# KiCad board Leviathan.kicad_pcb
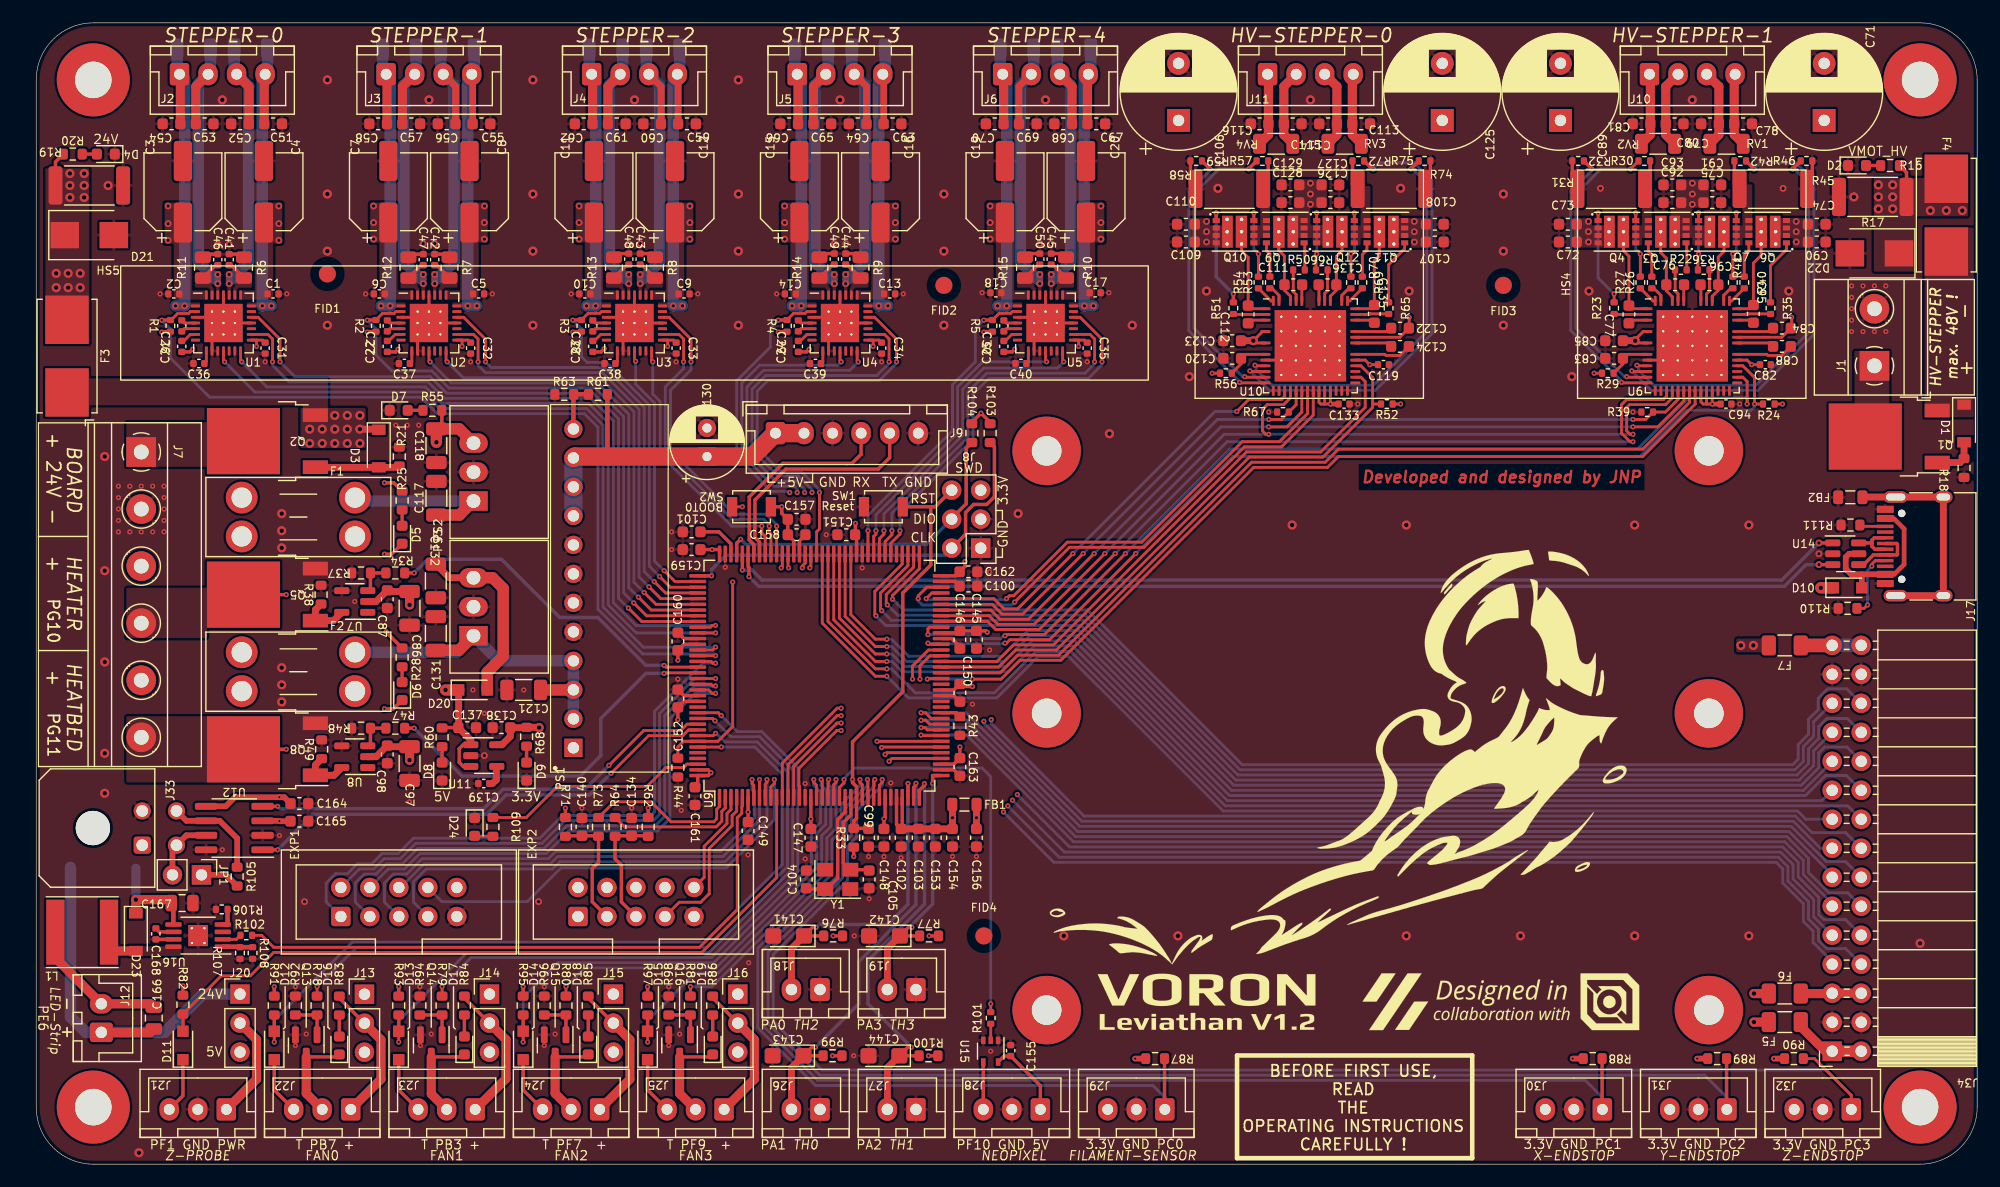
[diagram p0: board, top side]
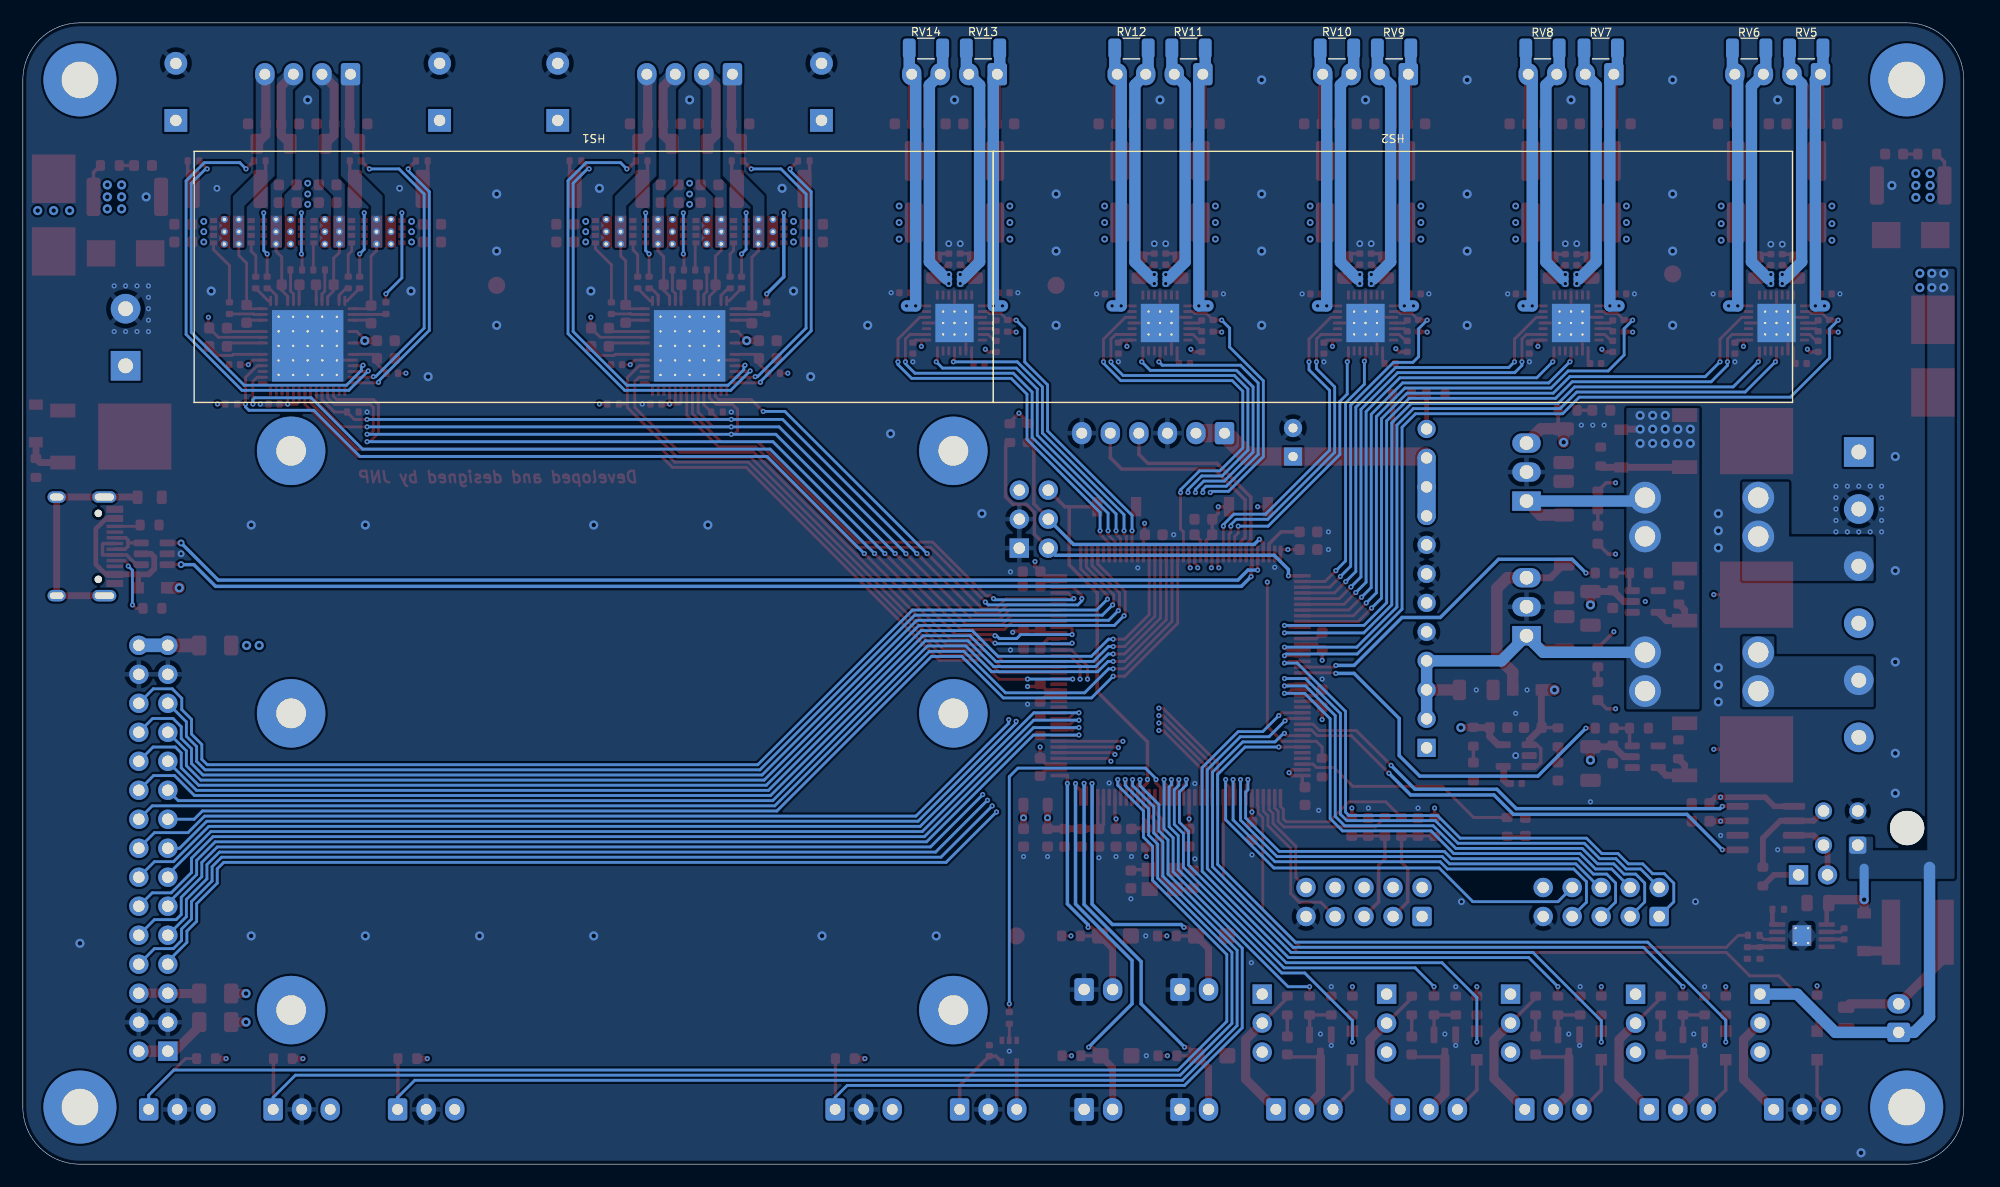
[diagram p1: board, bottom side, seen from below]

Outline 170 x 100 mm; copper layers: Top, In1.Cu, In2.Cu, Bottom. Coordinates in mm from the lower left corner of the outline.
Outline path: 0,95 0,5 arc(1.46,1.46) 5,0 165,0 arc(168.54,1.46) 170,5 170,95 arc(168.54,98.54) 165,100 5,100 arc(1.46,98.54) 0,95
Stack: Top 0.035mm / dielectric 0.48mm FR4 er 4.5 / In1.Cu 0.035mm / dielectric 0.48mm FR4 er 4.5 / In2.Cu 0.035mm / dielectric 0.48mm FR4 er 4.5 / Bottom 0.035mm

## Placement (name value [footprint] x y rotation side)
C1  100n  [C_0402_1005Metric]  20.75 76.25 0 top
C2  100n  [C_0402_1005Metric]  12.05 76.25 180 top
C3  47u/35V  [CP_Elec_6.3x5.8]  12.85 85.2 90 top
C4  47u/35V  [CP_Elec_6.3x5.8]  19.95 85.2 90 top
C5  100n  [C_0402_1005Metric]  38.75 76.25 0 top
C6  100n  [C_0402_1005Metric]  30.05 76.25 180 top
C7  47u/35V  [CP_Elec_6.3x5.8]  30.85 85.2 90 top
C8  47u/35V  [CP_Elec_6.3x5.8]  37.95 85.2 90 top
C9  100n  [C_0402_1005Metric]  56.75 76.25 0 top
C10  100n  [C_0402_1005Metric]  48.05 76.25 180 top
C11  47u/35V  [CP_Elec_6.3x5.8]  48.85 85.2 90 top
C12  47u/35V  [CP_Elec_6.3x5.8]  55.95 85.2 90 top
C13  100n  [C_0402_1005Metric]  74.75 76.25 0 top
C14  100n  [C_0402_1005Metric]  66.05 76.25 180 top
C15  47u/35V  [CP_Elec_6.3x5.8]  66.85 85.2 90 top
C16  47u/35V  [CP_Elec_6.3x5.8]  73.95 85.2 90 top
C17  100n  [C_0402_1005Metric]  92.75 76.35 0 top
C18  100n  [C_0402_1005Metric]  84.05 76.35 180 top
C19  47u/35V  [CP_Elec_6.3x5.8]  84.85 85.2 90 top
C20  47u/35V  [CP_Elec_6.3x5.8]  91.95 85.2 90 top
C21  100n  [C_0402_1005Metric]  12.75 71.65 90 top
C22  100n  [C_0402_1005Metric]  30.75 71.65 90 top
C23  100n  [C_0402_1005Metric]  48.75 71.65 90 top
C24  100n  [C_0402_1005Metric]  66.75 71.65 90 top
C25  100n  [C_0402_1005Metric]  84.75 71.65 90 top
C26  22n  [C_0402_1005Metric]  12.75 73.45 270 top
C27  22n  [C_0402_1005Metric]  30.75 73.45 270 top
C28  22n  [C_0402_1005Metric]  48.75 73.45 270 top
C29  22n  [C_0402_1005Metric]  66.75 73.45 270 top
C30  22n  [C_0402_1005Metric]  84.75 73.45 270 top
C31  100n  [C_0402_1005Metric]  20.05 71.5 270 top
C32  100n  [C_0402_1005Metric]  38.05 71.5 270 top
C33  100n  [C_0402_1005Metric]  56.05 71.5 270 top
C34  100n  [C_0402_1005Metric]  74.05 71.5 270 top
C35  100n  [C_0402_1005Metric]  92.05 71.5 270 top
C36  4u7  [C_0402_1005Metric]  14.25 70.15 0 top
C37  4u7  [C_0402_1005Metric]  32.25 70.15 0 top
C38  4u7  [C_0402_1005Metric]  50.25 70.15 0 top
C39  4u7  [C_0402_1005Metric]  68.25 70.15 0 top
C40  4u7  [C_0402_1005Metric]  86.25 70.15 0 top
C41  100n  [C_0402_1005Metric]  16.9 79.25 270 top
C42  100n  [C_0402_1005Metric]  34.9 79.25 270 top
C43  100n  [C_0402_1005Metric]  52.9 79.3 270 top
C44  100n  [C_0402_1005Metric]  70.9 79.3 270 top
C45  100n  [C_0402_1005Metric]  88.9 79.3 270 top
C46  100n  [C_0402_1005Metric]  15.9 79.25 270 top
C47  100n  [C_0402_1005Metric]  33.9 79.25 270 top
C48  100n  [C_0402_1005Metric]  51.9 79.3 270 top
C49  100n  [C_0402_1005Metric]  69.9 79.3 270 top
C50  100n  [C_0402_1005Metric]  87.9 79.3 270 top
C51  1n  [C_0603_1608Metric]  20.75 91.15 0 top
C52  1n  [C_0603_1608Metric]  17.85 91.15 180 top
C53  1n  [C_0603_1608Metric]  14.75 91.15 0 top
C54  1n  [C_0603_1608Metric]  11.85 91.15 180 top
C55  1n  [C_0603_1608Metric]  39 91.15 0 top
C56  1n  [C_0603_1608Metric]  35.95 91.15 180 top
C57  1n  [C_0603_1608Metric]  32.85 91.15 0 top
C58  1n  [C_0603_1608Metric]  29.95 91.15 180 top
C59  1n  [C_0603_1608Metric]  57 91.15 0 top
C60  1n  [C_0603_1608Metric]  53.95 91.15 180 top
C61  1n  [C_0603_1608Metric]  50.85 91.15 0 top
C62  1n  [C_0603_1608Metric]  47.95 91.15 180 top
C63  1n  [C_0603_1608Metric]  75 91.15 0 top
C64  1n  [C_0603_1608Metric]  71.95 91.15 180 top
C65  1n  [C_0603_1608Metric]  68.85 91.15 0 top
C66  1n  [C_0603_1608Metric]  65.95 91.15 180 top
C67  1n  [C_0603_1608Metric]  92.85 91.15 0 top
C68  1n  [C_0603_1608Metric]  89.95 91.15 180 top
C69  1n  [C_0603_1608Metric]  86.85 91.15 0 top
C70  1n  [C_0603_1608Metric]  83.95 91.15 180 top
C71  220u/63V  [CP_Radial_D10.0mm_P5.00mm]  156.6 91.45 90 top
C72  100nF/100V  [C_0603_1608Metric]  134.15 80.8 0 top
C73  100nF/100V  [C_0603_1608Metric]  134.15 82.35 0 top
C74  100nF/100V  [C_0603_1608Metric]  155.95 82.35 180 top
C75  100nF/100V  [C_0603_1608Metric]  146.8 84.25 180 top
C76  220nF  [C_0603_1608Metric]  143.55 77.05 0 top
C77  220nF  [C_0603_1608Metric]  139.5 74.45 270 top
C78  1n  [C_0603_1608Metric]  149.5 91.15 0 top
C79  1n  [C_0603_1608Metric]  146.6 91.15 180 top
C80  1n  [C_0603_1608Metric]  143.5 91.15 0 top
C81  1n  [C_0603_1608Metric]  140.6 91.15 180 top
C82  470nF  [C_0402_1005Metric]  151.45 70.05 0 top
C83  2u2  [C_0603_1608Metric]  138.2 70.6 180 top
C84  100n  [C_0603_1608Metric]  152.9 73.25 180 top
C85  2u2  [C_0603_1608Metric]  138.2 72.15 180 top
C86  10u  [C_1206_3216Metric]  32.7 48.7 270 top
C87  100n  [C_0603_1608Metric]  30.75 49.5 270 top
C88  22n  [C_0603_1608Metric]  152.9 71.65 180 top
C89  220u/63V  [CP_Radial_D10.0mm_P5.00mm]  133.5 91.45 90 top
C90  100nF/100V  [C_0603_1608Metric]  155.95 80.8 180 top
C91  100nF/100V  [C_0603_1608Metric]  146.8 85.8 180 top
C92  100nF/100V  [C_0603_1608Metric]  143.3 84.25 0 top
C93  100nF/100V  [C_0603_1608Metric]  143.3 85.8 0 top
C94  100n  [C_0402_1005Metric]  148 66.6 0 top
C95  220nF  [C_0603_1608Metric]  150.4 74.5 270 top
C96  220nF  [C_0603_1608Metric]  146.55 77.05 180 top
C97  10u  [C_1206_3216Metric]  32.7 35.1 270 top
C98  100n  [C_0603_1608Metric]  30.75 35.9 270 top
C99  100n  [C_0603_1608Metric]  72.9 28.6 270 top
C100  2u2  [C_0603_1608Metric]  81.65 50.65 0 top
C101  2u2  [C_0603_1608Metric]  57.4 55.4 180 top
C102  2u2  [C_0603_1608Metric]  75.75 28.6 270 top
C103  100n  [C_0603_1608Metric]  77.25 28.6 270 top
C104  12pF  [C_0603_1608Metric]  67.45 24.95 90 top
C105  12pF  [C_0603_1608Metric]  72.95 24.95 270 top
C106  220u/63V  [CP_Radial_D10.0mm_P5.00mm]  100.05 91.45 90 top
C107  100nF/100V  [C_0603_1608Metric]  122.5 80.8 180 top
C108  100nF/100V  [C_0603_1608Metric]  122.5 82.35 180 top
C109  100nF/100V  [C_0603_1608Metric]  100.7 80.8 0 top
C110  100nF/100V  [C_0603_1608Metric]  100.7 82.35 0 top
C111  220nF  [C_0603_1608Metric]  110.1 77.05 0 top
C112  220nF  [C_0603_1608Metric]  106.15 74.45 270 top
C113  1n  [C_0603_1608Metric]  116.05 91.15 0 top
C114  1n  [C_0603_1608Metric]  113.15 91.15 180 top
C115  1n  [C_0603_1608Metric]  110.05 91.15 0 top
C116  1n  [C_0603_1608Metric]  107.15 91.15 180 top
C117  10u  [C_1206_3216Metric]  35.05 58.35 90 top
C118  10u  [C_1206_3216Metric]  35.05 62.95 270 top
C119  470nF  [C_0402_1005Metric]  118 70.05 0 top
C120  2u2  [C_0603_1608Metric]  104.75 70.6 180 top
C121  10u  [C_1206_3216Metric]  42.7 41.55 180 top
C122  100n  [C_0603_1608Metric]  119.45 73.25 180 top
C123  2u2  [C_0603_1608Metric]  104.75 72.15 180 top
C124  22n  [C_0603_1608Metric]  119.45 71.65 180 top
C125  220u/63V  [CP_Radial_D10.0mm_P5.00mm]  123.15 91.45 90 top
C126  100nF/100V  [C_0603_1608Metric]  113.35 84.25 180 top
C127  100nF/100V  [C_0603_1608Metric]  113.35 85.8 180 top
C128  100nF/100V  [C_0603_1608Metric]  109.85 84.25 0 top
C129  100nF/100V  [C_0603_1608Metric]  109.85 85.8 0 top
C130  100u/25V  [CP_Radial_D6.3mm_P2.50mm]  58.75 62 90 top
C131  10u  [C_1206_3216Metric]  35 46.5 90 top
C132  10u  [C_1206_3216Metric]  35 51.1 270 top
C133  100n  [C_0402_1005Metric]  114.55 66.6 0 top
C134  100n  [C_0603_1608Metric]  52.15 29.55 90 top
C135  220nF  [C_0603_1608Metric]  117.2 74.5 270 top
C136  220nF  [C_0603_1608Metric]  113.1 77.05 180 top
C137  1u  [C_0603_1608Metric]  37.75 38.25 0 top
C138  2u2  [C_0603_1608Metric]  40.75 38.25 180 top
C139  22n  [C_0402_1005Metric]  39.2 33.35 180 top
C140  100n  [C_0603_1608Metric]  47.8 29.55 90 top
C141  10u  [CP_EIA-3216-18_Kemet-A]  65.9 20 180 top
C142  10u  [CP_EIA-3216-18_Kemet-A]  74.3 20 180 top
C143  10u  [CP_EIA-3216-18_Kemet-A]  65.85 9.5 180 top
C144  10u  [CP_EIA-3216-18_Kemet-A]  74.25 9.5 180 top
C145  4u7  [C_0603_1608Metric]  82.35 45.95 270 top
C146  100n  [C_0603_1608Metric]  80.9 45.95 270 top
C147  100n  [C_0603_1608Metric]  67.85 28.6 270 top
C148  100n  [C_0603_1608Metric]  74.25 28.6 270 top
C149  1u  [C_0603_1608Metric]  62.35 29.2 270 top
C150  100n  [C_0603_1608Metric]  80.9 41.3 270 top
C151  100n  [C_0603_1608Metric]  70.95 55.15 180 top
C152  100n  [C_0603_1608Metric]  56.2 40.8 90 top
C153  2u2  [C_0603_1608Metric]  78.75 28.6 270 top
C154  100n  [C_0603_1608Metric]  80.25 28.6 270 top
C155  100n  [C_0402_1005Metric]  85.35 9.95 90 top
C156  100n  [C_0603_1608Metric]  82.35 28.6 270 top
C157  1u  [C_0603_1608Metric]  66.6 56.5 0 top
C158  100n  [C_0603_1608Metric]  66.6 55.15 0 top
C159  100n  [C_0603_1608Metric]  57.4 53.85 180 top
C160  100n  [C_0603_1608Metric]  56.2 45.8 90 top
C161  100n  [C_0603_1608Metric]  57.7 32.25 270 top
C162  100n  [C_0603_1608Metric]  81.65 51.9 0 top
C163  100n  [C_0603_1608Metric]  80.9 34.8 270 top
C164  100n  [C_0603_1608Metric]  23.05 31.6 0 top
C165  100n  [C_0603_1608Metric]  23.05 30.05 0 top
C166  4.7uF  [C_0805_2012Metric]  10.3 12.8 90 top
C167  4.7uF  [C_0805_2012Metric]  12.78 22.88 0 top
C168  1uF  [C_0402_1005Metric]  10.48 20.18 270 top
D1  15V  [D_SOD-123]  168.85 64.9 270 top
D2  red  [LED_0603_1608Metric]  159.47 87.5 0 top
D3  15V  [D_SOD-123]  30 62.7 270 top
D4  red  [LED_0603_1608Metric]  6.1 88.5 180 top
D5  Hotend  [LED_0603_1608Metric]  32.05 55.15 90 top
D6  Heatbed  [LED_0603_1608Metric]  32.05 41.45 90 top
D7  red  [LED_0603_1608Metric]  31.75 66.05 0 top
D8  red  [LED_0603_1608Metric]  35.55 34.4 90 top
D9  red  [LED_0603_1608Metric]  42.95 34.4 90 top
D10  CUS10S30,H3F  [D_SOD-323_HandSoldering]  158.65 50.5 0 top
D11  BAT54J,115  [D_SOD-323_HandSoldering]  12.85 10.4 90 top
D12  BAT54J,115  [D_SOD-323_HandSoldering]  20.85 10.4 90 top
D13  BAT54J,115  [D_SOD-323_HandSoldering]  31.75 10.4 90 top
D14  BAT54J,115  [D_SOD-323_HandSoldering]  42.65 10.4 90 top
D15  BAT54J,115  [D_SOD-323_HandSoldering]  53.55 10.4 90 top
D16  red  [LED_0603_1608Metric]  26.55 10.4 90 top
D17  red  [LED_0603_1608Metric]  37.5 10.4 90 top
D18  red  [LED_0603_1608Metric]  48.35 10.4 90 top
D19  red  [LED_0603_1608Metric]  59.25 10.4 90 top
D20  BAT60AE6327  [D_SOD-323_HandSoldering]  38.25 41.55 0 top
D21  SMBJ28A  [D_SMB]  4.65 81.4 0 top
D22  SMBJ54A  [D_SMB]  161 79.8 180 top
D23  40V/1A  [D_SOD-123]  8.73 20.32 270 top
D24  red  [LED_0603_1608Metric]  38.4 29.55 270 top
EXP1  LCD  [IDC-Header_2x05_P2.54mm_Vertical]  26.68 21.7 90 top
EXP2  SPI  [IDC-Header_2x05_P2.54mm_Vertical]  47.45 21.7 90 top
F1  Fuse  [Fuseholder_Blade_Mini_Keystone_3568]  18 58.4 0 top
F2  Fuse  [Fuseholder_Blade_Mini_Keystone_3568]  18 44.85 0 top
F3  10A  [Fuseholder_Littelfuse_Nano2_154x]  2.7 70.8 90 top
F4  10A  [Fuseholder_Littelfuse_Nano2_154x]  167.3 83.15 270 top
F5  0.5A  [Fuse_1206_3216Metric]  153.15 12.45 180 top
F6  0.5A  [Fuse_1206_3216Metric]  153.15 14.95 180 top
F7  0.5A  [Fuse_1206_3216Metric]  153.15 45.45 180 top
FB1  600Z  [L_0805_2012Metric]  81.3 31.5 0 top
FB2  600Z  [L_0805_2012Metric]  158.89 58.43 180 top
FID1  Fiducial  [Fiducial_1.5mm_Mask3mm]  25.5 78 0 top
FID2  Fiducial  [Fiducial_1.5mm_Mask3mm]  79.5 77 0 top
FID3  Fiducial  [Fiducial_1.5mm_Mask3mm]  128.5 77 0 top
FID4  Fiducial  [Fiducial_1.5mm_Mask3mm]  83 20 0 top
H1  MountingHole  [MountingHole_3.2mm_M3_Pad_TopBottom]  5 95 0 top
H2  MountingHole  [MountingHole_3.2mm_M3_Pad_TopBottom]  165 95 0 top
H3  MountingHole  [MountingHole_3.2mm_M3_Pad_TopBottom]  5 5 0 top
H4  MountingHole  [MountingHole_3.2mm_M3_Pad_TopBottom]  165 5 0 top
HS1  Heatsink  [M2_Heatsink_70x22x3]  120 77.74 180 bottom
HS2  Heatsink  [M2_Heatsink_70x22x3]  50 77.74 180 bottom
HS3  Heatsink  [Heatsink_Fischer_ICK_PGA_20x20x10]  111.5 77.1 90 top
HS4  Heatsink  [Heatsink_Fischer_ICK_PGA_20x20x10]  145 77.1 90 top
HS5  Heatsink  [Heatsink_90x10x10]  52.4 73.7 0 top
J1  PWR_HV_DRV  [TerminalBlock_Phoenix_MKDS-1,5-2_1x02_P5.00mm_Horizontal]  161 69.95 90 top
J2  Stepper0  [JST_XH_B4B-XH-A_1x04_P2.50mm_Vertical]  12.55 95.5 0 top
J3  Stepper1  [JST_XH_B4B-XH-A_1x04_P2.50mm_Vertical]  30.65 95.5 0 top
J4  Stepper2  [JST_XH_B4B-XH-A_1x04_P2.50mm_Vertical]  48.65 95.5 0 top
J5  Stepper3  [JST_XH_B4B-XH-A_1x04_P2.50mm_Vertical]  66.65 95.5 0 top
J6  Stepper4  [JST_XH_B4B-XH-A_1x04_P2.50mm_Vertical]  84.65 95.5 0 top
J7  PWR_IN  [TerminalBlock_Phoenix_MKDS-1,5-6_1x06_P5.00mm_Horizontal]  9.2 62.4 270 top
J8  SWD  [PinHeader_2x03_P2.54mm_Vertical]  82.72 53.97 180 top
J9  PWR/UART  [JST_XH_B6B-XH-A_1x06_P2.50mm_Vertical]  64.75 64.05 0 top
J10  HV_Stepper1  [JST_XH_B4B-XH-A_1x04_P2.50mm_Vertical]  141.3 95.5 0 top
J11  HV_Stepper0  [JST_XH_B4B-XH-A_1x04_P2.50mm_Vertical]  107.85 95.5 0 top
J12  LED-Strip  [JST_XH_B2B-XH-A_1x02_P2.50mm_Vertical]  5.7 11.55 90 top
J13  FAN_V  [PinHeader_1x03_P2.54mm_Vertical]  28.75 14.89 0 top
J14  FAN_V  [PinHeader_1x03_P2.54mm_Vertical]  39.7 14.9 0 top
J15  FAN_V  [PinHeader_1x03_P2.54mm_Vertical]  50.55 14.9 0 top
J16  FAN_V  [PinHeader_1x03_P2.54mm_Vertical]  61.45 14.9 0 top
J17  USB_C_Receptacle_USB2.0  [USB_C_Receptacle_HRO_TYPE-C-31-M-12]  165.99 54.13 90 top
J18  T2  [JST_XH_B2B-XH-A_1x02_P2.50mm_Vertical]  68.65 15.3 180 top
J19  T3  [JST_XH_B2B-XH-A_1x02_P2.50mm_Vertical]  77.05 15.3 180 top
J20  PROBE_V  [PinHeader_1x03_P2.54mm_Vertical]  17.85 14.9 0 top
J21  Z-Probe  [JST_XH_B3B-XH-A_1x03_P2.50mm_Vertical]  16.65 4.8 180 top
J22  FAN_0  [JST_XH_B3B-XH-A_1x03_P2.50mm_Vertical]  27.55 4.8 180 top
J23  FAN_1  [JST_XH_B3B-XH-A_1x03_P2.50mm_Vertical]  38.45 4.8 180 top
J24  FAN_2  [JST_XH_B3B-XH-A_1x03_P2.50mm_Vertical]  49.35 4.8 180 top
J25  FAN_3  [JST_XH_B3B-XH-A_1x03_P2.50mm_Vertical]  60.25 4.8 180 top
J26  T0  [JST_XH_B2B-XH-A_1x02_P2.50mm_Vertical]  68.65 4.8 180 top
J27  T1  [JST_XH_B2B-XH-A_1x02_P2.50mm_Vertical]  77.05 4.8 180 top
J28  Neopixel  [JST_XH_B3B-XH-A_1x03_P2.50mm_Vertical]  87.95 4.8 180 top
J29  Fil  [JST_XH_B3B-XH-A_1x03_P2.50mm_Vertical]  98.85 4.8 180 top
J30  X  [JST_XH_B3B-XH-A_1x03_P2.50mm_Vertical]  137.18 4.8 180 top
J31  Y  [JST_XH_B3B-XH-A_1x03_P2.50mm_Vertical]  148.07 4.8 180 top
J32  Z  [JST_XH_B3B-XH-A_1x03_P2.50mm_Vertical]  158.97 4.8 180 top
J33  CAN_BUS  [Molex_Micro-Fit_3.0_43045-0400_2x02_P3.00mm_Horizontal]  9.28 27.95 90 top
J34  Conn_02x15_Odd_Even  [PinSocket_2x15_P2.54mm_Horizontal]  157.3 9.9 180 top
JP1  term  [PinHeader_1x02_P2.54mm_Vertical]  14.47 25.35 270 top
L1  33uH  [L_Taiyo-Yuden_NR-60xx]  4.03 20.32 180 top
PS1  K7805-3AR3  [R7450P]  47.05 50.45 90 top
PS2  K7812-2000R3  [Converter_DCDC_RECOM_R-78B-2.0_THT]  38.3 58.1 90 top
PS3  K7805-2000R3  [Converter_DCDC_RECOM_R-78B-2.0_THT]  38.3 46.3 90 top
Q1  SUD50P06-15-GE3  [TO-252-2]  162.3 63.75 180 top
Q2  SUD50P06-15-GE3  [TO-252-2]  20.25 63.35 180 top
Q3  SiZ270DT  [Vishay_PowerPair_3x3S]  142.85 81.7 180 top
Q4  SiZ270DT  [Vishay_PowerPair_3x3S]  138.45 81.7 0 top
Q5  DMTH6005LK3Q-13  [TO-252-2]  20.25 49.9 180 top
Q6  SiZ270DT  [Vishay_PowerPair_3x3S]  151.65 81.7 180 top
Q7  SiZ270DT  [Vishay_PowerPair_3x3S]  147.25 81.7 0 top
Q8  DMTH6005LK3Q-13  [TO-252-2]  20.25 36.35 180 top
Q9  SiZ270DT  [Vishay_PowerPair_3x3S]  109.4 81.7 180 top
Q10  SiZ270DT  [Vishay_PowerPair_3x3S]  105 81.7 0 top
Q11  SiZ270DT  [Vishay_PowerPair_3x3S]  118.21 81.7 180 top
Q12  SiZ270DT  [Vishay_PowerPair_3x3S]  113.8 81.7 0 top
Q13  SQ2348ES  [SOT-23]  23.65 10.4 270 top
Q14  SQ2348ES  [SOT-23]  34.6 10.4 270 top
Q15  SQ2348ES  [SOT-23]  45.45 10.4 270 top
Q16  SQ2348ES  [SOT-23]  56.35 10.4 270 top
R1  10k  [R_0402_1005Metric]  11.75 73.45 270 top
R2  10k  [R_0402_1005Metric]  29.75 73.45 270 top
R3  10k  [R_0402_1005Metric]  47.75 73.45 270 top
R4  10k  [R_0402_1005Metric]  65.75 73.45 270 top
R5  10k  [R_0402_1005Metric]  83.75 73.45 270 top
R6  0.110R  [R_0805_2012Metric]  18.2 78.55 90 top
R7  0.110R  [R_0805_2012Metric]  36.2 78.55 90 top
R8  0.110R  [R_0805_2012Metric]  54.2 78.55 90 top
R9  0.110R  [R_0805_2012Metric]  72.2 78.55 90 top
R10  0.110R  [R_0805_2012Metric]  90.2 78.55 90 top
R11  0.110R  [R_0805_2012Metric]  14.6 78.55 90 top
R12  0.110R  [R_0805_2012Metric]  32.6 78.55 90 top
R13  0.110R  [R_0805_2012Metric]  50.6 78.55 90 top
R14  0.110R  [R_0805_2012Metric]  68.6 78.55 90 top
R15  0.110R  [R_0805_2012Metric]  86.6 78.55 90 top
R16  15k  [R_0603_1608Metric]  162.38 87.5 0 top
R17  3k/1W  [R_2512_6332Metric]  160.85 84.75 0 top
R18  100k  [R_0603_1608Metric]  168.85 61 270 top
R19  3k/1W  [R_2512_6332Metric]  4.65 85.75 180 top
R20  10k  [R_0603_1608Metric]  3.2 88.5 180 top
R21  100k  [R_0603_1608Metric]  31.8 62 90 top
R22  10R  [R_0402_1005Metric]  144.05 78.35 0 top
R23  10R  [R_0402_1005Metric]  138.2 75 90 top
R24  10k  [R_0402_1005Metric]  151.75 66.6 0 top
R25  7k5  [R_0603_1608Metric]  32.05 58.15 90 top
R26  10R  [R_0402_1005Metric]  141.5 77.25 90 top
R27  10R  [R_0402_1005Metric]  140.5 77.25 90 top
R28  7k5  [R_0603_1608Metric]  32.05 44.4 90 top
R29  2R2  [R_0402_1005Metric]  137.65 69.3 0 top
R30  47R  [R_0402_1005Metric]  140.85 87.9 0 top
R31  0.075R/1W  [R_2512_6332Metric]  137.95 85.45 180 top
R32  47R  [R_0402_1005Metric]  135.05 87.9 180 top
R33  100k  [R_0603_1608Metric]  71.6 28.6 270 top
R34  100R  [R_0603_1608Metric]  31.45 51.8 180 top
R35  10R  [R_0402_1005Metric]  151.9 75 90 top
R36  10R  [R_0402_1005Metric]  146.05 78.35 180 top
R37  1k  [R_0603_1608Metric]  28.45 51.8 180 top
R38  10k  [R_0603_1608Metric]  24.95 49.9 270 top
R39  100k  [R_0402_1005Metric]  141.1 65.9 0 top
R40  10R  [R_0402_1005Metric]  149.6 77.25 90 top
R41  10R  [R_0402_1005Metric]  148.6 77.25 90 top
R42  47R  [R_0402_1005Metric]  149.25 87.9 180 top
R43  10k  [R_0603_1608Metric]  80.9 38.4 90 top
R44  10k  [R_0603_1608Metric]  56.2 34.75 270 top
R45  0.075R/1W  [R_2512_6332Metric]  152.15 85.45 0 top
R46  47R  [R_0402_1005Metric]  155.05 87.9 0 top
R47  100R  [R_0603_1608Metric]  31.45 38.2 180 top
R48  1k  [R_0603_1608Metric]  28.45 38.2 180 top
R49  10k  [R_0603_1608Metric]  25 36.35 270 top
R50  22R  [R_0402_1005Metric]  110.6 78.35 0 top
R51  22R  [R_0402_1005Metric]  104.85 75 90 top
R52  10k  [R_0402_1005Metric]  118.3 66.6 0 top
R53  22R  [R_0402_1005Metric]  108.05 77.25 90 top
R54  22R  [R_0402_1005Metric]  107.05 77.25 90 top
R55  3k6  [R_0603_1608Metric]  34.7 66.05 0 top
R56  2R2  [R_0402_1005Metric]  104.2 69.3 0 top
R57  47R  [R_0402_1005Metric]  107.4 87.9 0 top
R58  0.075R/1W  [R_2512_6332Metric]  104.5 85.45 180 top
R59  47R  [R_0402_1005Metric]  101.6 87.9 180 top
R60  1k  [R_0603_1608Metric]  35.55 37.4 90 top
R61  361k  [R_0603_1608Metric]  49.2 67.45 0 top
R62  4k7  [R_0603_1608Metric]  53.6 29.55 270 top
R63  100k  [R_0603_1608Metric]  46.25 67.45 0 top
R64  100R  [R_0603_1608Metric]  50.7 29.55 90 top
R65  22R  [R_0402_1005Metric]  118.45 75 90 top
R66  22R  [R_0402_1005Metric]  112.6 78.35 180 top
R67  100k  [R_0402_1005Metric]  109.2 65.9 0 top
R68  1k  [R_0603_1608Metric]  42.95 37.45 90 top
R69  22R  [R_0402_1005Metric]  116.15 77.25 90 top
R70  22R  [R_0402_1005Metric]  115.15 77.25 90 top
R71  4k7  [R_0603_1608Metric]  46.35 29.55 270 top
R72  47R  [R_0402_1005Metric]  115.8 87.9 180 top
R73  100R  [R_0603_1608Metric]  49.25 29.55 90 top
R74  0.075R/1W  [R_2512_6332Metric]  118.7 85.45 0 top
R75  47R  [R_0402_1005Metric]  121.6 87.9 0 top
R76  2k2  [R_0603_1608Metric]  69.8 20 180 top
R77  2k2  [R_0603_1608Metric]  78.2 20 180 top
R78  100R  [R_0603_1608Metric]  24.6 13.9 270 top
R79  100R  [R_0603_1608Metric]  35.55 13.9 270 top
R80  100R  [R_0603_1608Metric]  46.4 13.9 270 top
R81  100R  [R_0603_1608Metric]  57.3 13.9 270 top
R82  10k  [R_0603_1608Metric]  12.85 13.97 270 top
R83  1k  [R_0603_1608Metric]  26.55 13.9 90 top
R84  1k  [R_0603_1608Metric]  37.5 13.9 90 top
R85  1k  [R_0603_1608Metric]  48.35 13.9 90 top
R86  1k  [R_0603_1608Metric]  59.25 13.9 90 top
R87  10k  [R_0603_1608Metric]  98 9.25 180 top
R88  10k  [R_0603_1608Metric]  136.32 9.25 180 top
R89  10k  [R_0603_1608Metric]  147.22 9.25 180 top
R90  10k  [R_0603_1608Metric]  153.95 9.25 180 top
R91  10k  [R_0603_1608Metric]  20.85 13.9 270 top
R92  10k  [R_0603_1608Metric]  22.7 13.9 90 top
R93  10k  [R_0603_1608Metric]  31.75 13.9 270 top
R94  10k  [R_0603_1608Metric]  33.6 13.9 90 top
R95  10k  [R_0603_1608Metric]  42.65 13.9 270 top
R96  10k  [R_0603_1608Metric]  44.5 13.9 90 top
R97  10k  [R_0603_1608Metric]  53.55 13.9 270 top
R98  10k  [R_0603_1608Metric]  55.4 13.9 90 top
R99  2k2  [R_0603_1608Metric]  69.75 9.5 180 top
R100  2k2  [R_0603_1608Metric]  78.15 9.5 180 top
R101  100R  [R_0402_1005Metric]  83.6 12.81 90 top
R102  100R  [R_0402_1005Metric]  18.4 20.05 0 top